# EAGLE board Mk4 Final a Panel score 2x5 (EAGLE 9.0.1), part 17 of 29 (continued)
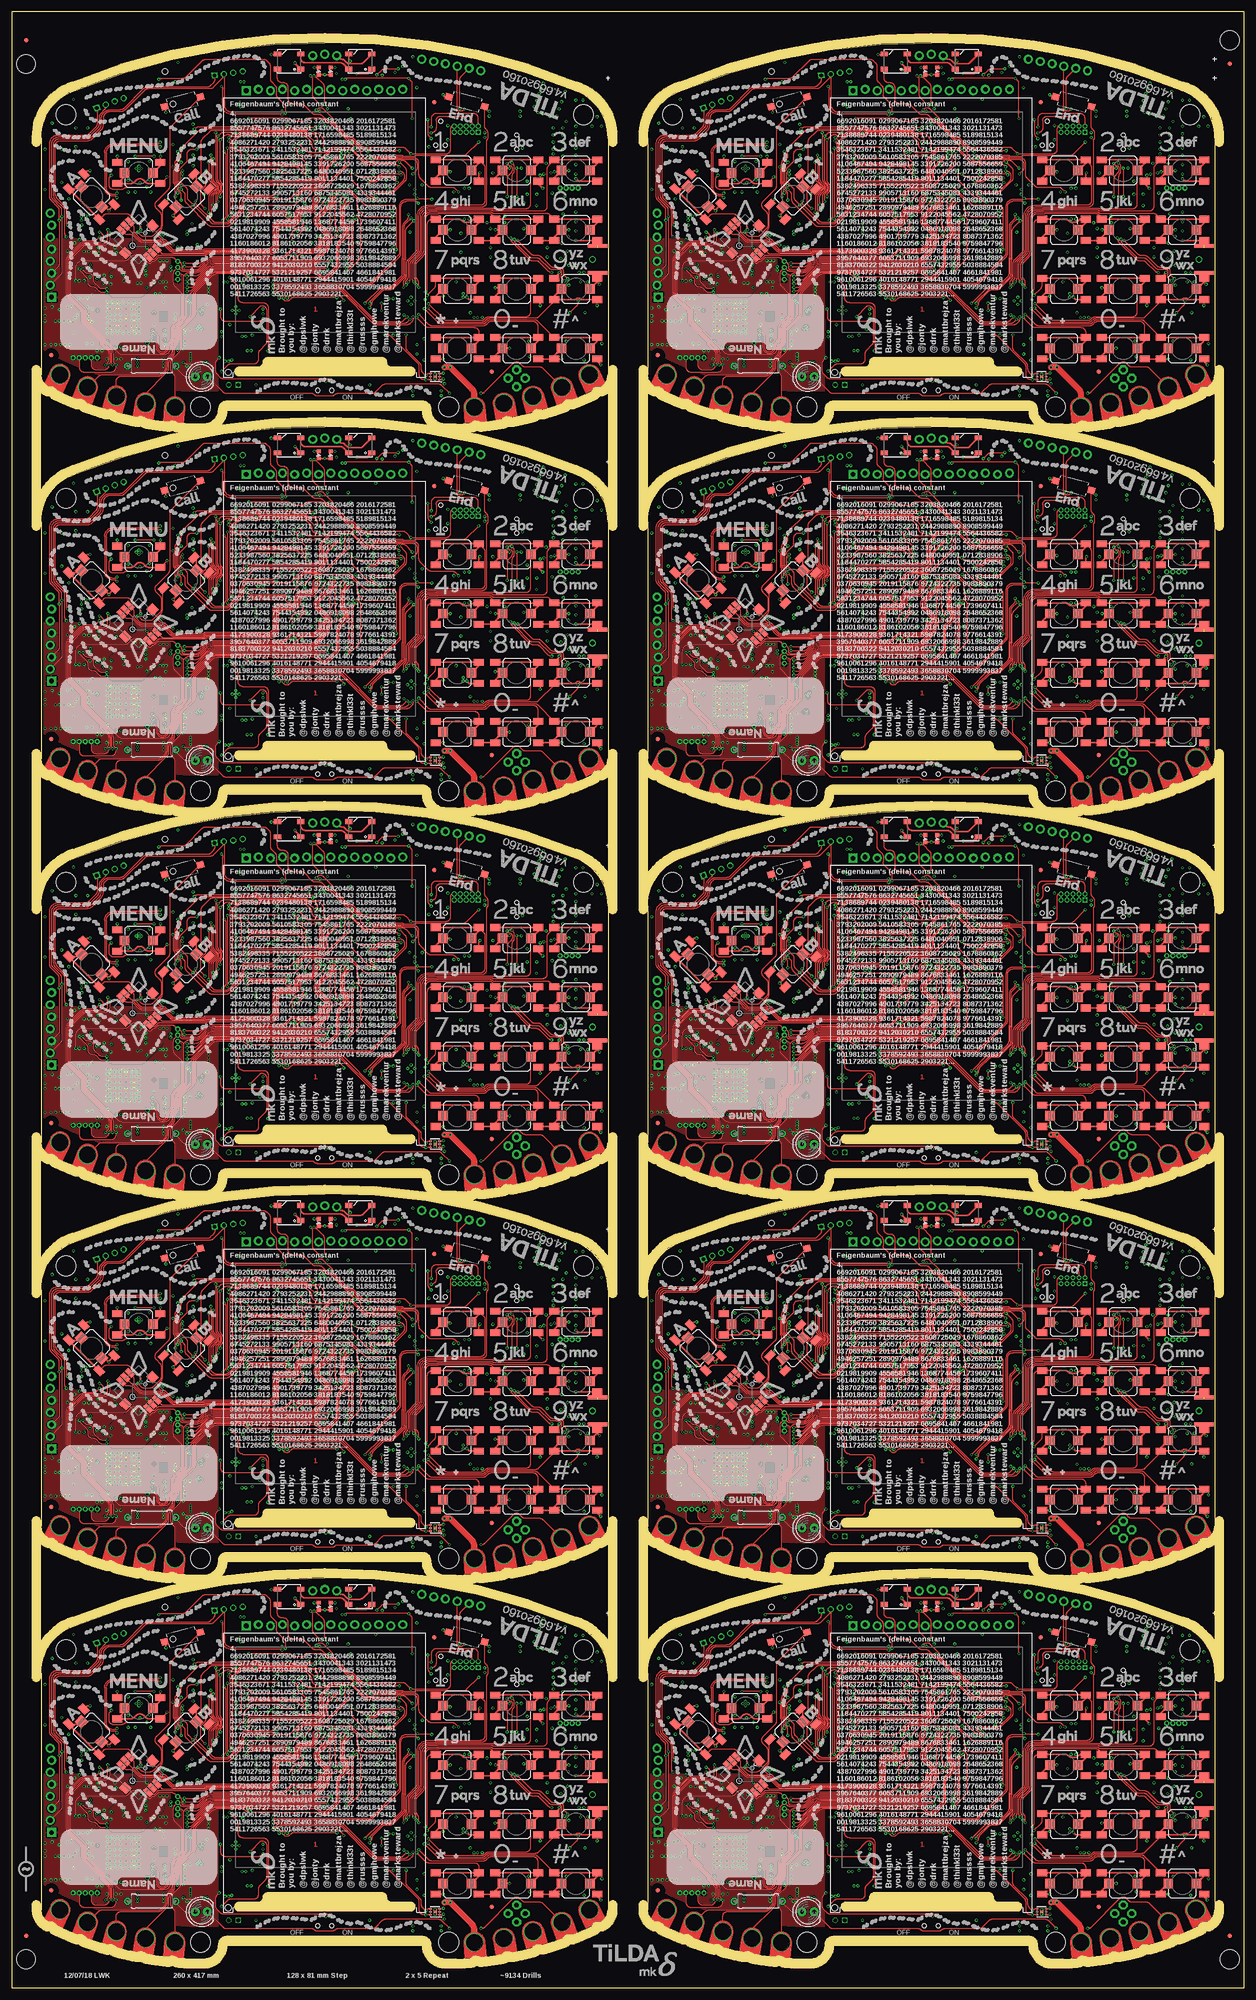
[diagram p0: board, top side]
## Tracks (layer width: path | path; a pad name or v marks a point on that pad's centre or on a via) (continued)
I2C5_EXT_SDA6  (via drill 0.3)
  Top 0.2: v11.75,291 11.73,291.02 arc-45 11.5,291.57 11.5,294.24 arc45 11.21,294.94 9.49,296.66 arc-45 9.2,297.36 9.2,307.8 arc-90 10.2,308.8 15.88,308.8 arc45 17.11,309.31 18.79,310.99 arc45 19.3,312.23 19.3,313.64 arc-45 19.59,314.34 19.86,314.61 arc-45 20.56,314.9 22.93,314.9 arc45 23.82,315.27 28.01,319.46 arc-45 28.71,319.75 41.84,319.75 arc45 42.54,320.04 44.76,322.26 J68.2 44.76,322.24 44.9,322.1 44.9,316.3 arc90 46.4,314.8 56.8,314.8 v57,315
  3V3@2 0.15: v69.3,299.2 69.3,300.2 64.72,304.77 64.46,304.77 63.98,305.26 63.98,305.52 62.3,307.2 62.3,309.8 61.9,310.2 57.3,310.2 56.7,310.8 56.7,313.7 56.4,314 56.4,314.4 v57,315
  Bottom 0.15: IC110.120 72.92,299 arc-45 72.91,299 arc45 72.74,299.07 arc-45 72.03,299.37 71.72,299.68 arc45 71.01,299.98 70.49,299.98 arc45 69.78,299.68 v69.3,299.2
  Bottom 0.2: IC110.120 74.92,299 arc-45 75.28,298.85 75.43,298.7 arc45 75.78,298.56 76.99,298.56 arc-45 77.34,298.41 R495.1 78.2,297.55 arc45 78.56,297.4 78.9,297.4 arc-90 79.4,296.9 79.4,296.21 arc-45 79.11,295.51 78.97,295.38 78.97,290.96 arc45 79.27,290.25 79.56,289.97 arc45 80.26,289.68 81.91,289.68 arc-45 82.62,289.38 88.66,283.34 arc-45 89.1,282.28 89.1,276.37 arc45 89.47,275.49 94.19,270.77 arc45 95.07,270.4 99.49,270.4 arc-45 100.19,270.11 103.56,266.75 arc-45 103.85,266.04 103.85,259.92 arc45 104.14,259.21 J70.4 106.09,258.65 arc-45 106.79,258.36 109.71,255.44 arc-45 PCB6.SDA | JP62.7 v11.74,290.99 v11.75,291
  Bottom 0.3: J68.6 J68.2
I2C5_EXT_SDA7  (via drill 0.3)
  Top 0.2: v139.75,291 139.72,291.02 arc-45 139.5,291.57 139.5,294.24 arc45 139.21,294.94 137.49,296.66 arc-45 137.2,297.36 137.2,307.8 arc-90 138.2,308.8 143.88,308.8 arc45 145.11,309.31 146.79,310.99 arc45 147.3,312.23 147.3,313.64 arc-45 147.59,314.34 147.86,314.61 arc-45 148.56,314.9 150.93,314.9 arc45 151.82,315.27 156.01,319.46 arc-45 156.71,319.75 169.84,319.75 arc45 170.54,320.04 172.76,322.26 J78.2 172.76,322.24 172.9,322.1 172.9,316.3 arc90 174.4,314.8 184.8,314.8 v185,315
  3V3@2 0.15: v197.3,299.2 197.3,300.2 192.72,304.77 192.46,304.77 191.97,305.26 191.97,305.52 190.3,307.2 190.3,309.8 189.9,310.2 185.3,310.2 184.7,310.8 184.7,313.7 184.4,314 184.4,314.4 v185,315
  Bottom 0.15: IC128.120 200.92,299 arc-45 200.91,299 arc45 200.74,299.07 arc-45 200.03,299.37 199.72,299.68 arc45 199.01,299.98 198.49,299.98 arc45 197.78,299.68 v197.3,299.2
  Bottom 0.2: IC128.120 202.93,299 arc-45 203.28,298.85 203.43,298.7 arc45 203.78,298.56 204.99,298.56 arc-45 205.34,298.41 R573.1 206.2,297.55 arc45 206.56,297.4 206.9,297.4 arc-90 207.4,296.9 207.4,296.21 arc-45 207.11,295.51 206.97,295.38 206.97,290.96 arc45 207.27,290.25 207.56,289.97 arc45 208.26,289.68 209.91,289.68 arc-45 210.62,289.38 216.66,283.34 arc-45 217.1,282.28 217.1,276.37 arc45 217.47,275.49 222.19,270.77 arc45 223.07,270.4 227.49,270.4 arc-45 228.19,270.11 231.56,266.75 arc-45 231.85,266.04 231.85,259.92 arc45 232.14,259.21 J80.4 234.09,258.65 arc-45 234.79,258.36 237.71,255.44 arc-45 PCB7.SDA | JP71.7 v139.74,290.99 v139.75,291
  Bottom 0.3: J78.6 J78.2
I2C5_EXT_SDA8  (via drill 0.3)
  Top 0.2: v11.75,372 11.73,372.02 arc-45 11.5,372.57 11.5,375.24 arc45 11.21,375.94 9.49,377.66 arc-45 9.2,378.36 9.2,388.8 arc-90 10.2,389.8 15.88,389.8 arc45 17.11,390.31 18.79,391.99 arc45 19.3,393.23 19.3,394.64 arc-45 19.59,395.34 19.86,395.61 arc-45 20.56,395.9 22.93,395.9 arc45 23.82,396.27 28.01,400.46 arc-45 28.71,400.75 41.84,400.75 arc45 42.54,401.04 44.76,403.26 J88.2 44.76,403.24 44.9,403.1 44.9,397.3 arc90 46.4,395.8 56.8,395.8 v57,396
  3V3@2 0.15: v69.3,380.2 69.3,381.2 64.72,385.77 64.46,385.77 63.98,386.26 63.98,386.52 62.3,388.2 62.3,390.8 61.9,391.2 57.3,391.2 56.7,391.8 56.7,394.7 56.4,395 56.4,395.4 v57,396
  Bottom 0.15: IC146.120 72.92,380 arc-45 72.91,380 arc45 72.74,380.07 arc-45 72.03,380.37 71.72,380.68 arc45 71.01,380.98 70.49,380.98 arc45 69.78,380.68 v69.3,380.2
  Bottom 0.2: IC146.120 74.92,380 arc-45 75.28,379.85 75.43,379.7 arc45 75.78,379.56 76.99,379.56 arc-45 77.34,379.41 R651.1 78.2,378.55 arc45 78.56,378.4 78.9,378.4 arc-90 79.4,377.9 79.4,377.21 arc-45 79.11,376.51 78.97,376.38 78.97,371.96 arc45 79.27,371.25 79.56,370.97 arc45 80.26,370.68 81.91,370.68 arc-45 82.62,370.38 88.66,364.34 arc-45 89.1,363.28 89.1,357.37 arc45 89.47,356.49 94.19,351.77 arc45 95.07,351.4 99.49,351.4 arc-45 100.19,351.11 103.56,347.75 arc-45 103.85,347.04 103.85,340.92 arc45 104.14,340.21 J90.4 106.09,339.65 arc-45 106.79,339.36 109.71,336.44 arc-45 PCB8.SDA | JP80.7 v11.74,371.99 v11.75,372
  Bottom 0.3: J88.6 J88.2
I2C5_EXT_SDA9  (via drill 0.3)
  Top 0.2: v139.75,372 139.72,372.02 arc-45 139.5,372.57 139.5,375.24 arc45 139.21,375.94 137.49,377.66 arc-45 137.2,378.36 137.2,388.8 arc-90 138.2,389.8 143.88,389.8 arc45 145.11,390.31 146.79,391.99 arc45 147.3,393.23 147.3,394.64 arc-45 147.59,395.34 147.86,395.61 arc-45 148.56,395.9 150.93,395.9 arc45 151.82,396.27 156.01,400.46 arc-45 156.71,400.75 169.84,400.75 arc45 170.54,401.04 172.76,403.26 J98.2 172.76,403.24 172.9,403.1 172.9,397.3 arc90 174.4,395.8 184.8,395.8 v185,396
  3V3@2 0.15: v197.3,380.2 197.3,381.2 192.72,385.77 192.46,385.77 191.97,386.26 191.97,386.52 190.3,388.2 190.3,390.8 189.9,391.2 185.3,391.2 184.7,391.8 184.7,394.7 184.4,395 184.4,395.4 v185,396
  Bottom 0.15: IC164.120 200.92,380 arc-45 200.91,380 arc45 200.74,380.07 arc-45 200.03,380.37 199.72,380.68 arc45 199.01,380.98 198.49,380.98 arc45 197.78,380.68 v197.3,380.2
  Bottom 0.2: IC164.120 202.93,380 arc-45 203.28,379.85 203.43,379.7 arc45 203.78,379.56 204.99,379.56 arc-45 205.34,379.41 R729.1 206.2,378.55 arc45 206.56,378.4 206.9,378.4 arc-90 207.4,377.9 207.4,377.21 arc-45 207.11,376.51 206.97,376.38 206.97,371.96 arc45 207.27,371.25 207.56,370.97 arc45 208.26,370.68 209.91,370.68 arc-45 210.62,370.38 216.66,364.34 arc-45 217.1,363.28 217.1,357.37 arc45 217.47,356.49 222.19,351.77 arc45 223.07,351.4 227.49,351.4 arc-45 228.19,351.11 231.56,347.75 arc-45 231.85,347.04 231.85,340.92 arc45 232.14,340.21 J100.4 234.09,339.65 arc-45 234.79,339.36 237.71,336.44 arc-45 PCB9.SDA | JP89.7 v139.74,371.99 v139.75,372
  Bottom 0.3: J98.6 J98.2
JOY_CEN  (via drill 0.3)
  Top 0.15: SW1.CTR 26.77,45.02 arc45 27.66,44.66 30.79,44.66 arc-45 31.15,44.51 31.16,44.5 arc45 31.52,44.35 31.78,44.35 arc-45 32.13,44.2 33.49,42.84 arc45 34.38,42.48 40.44,42.48 arc45 40.61,42.55 40.74,42.68 arc-45 40.92,42.75 54.28,42.75 arc90 55.45,43.92 55.45,47.59 arc-90 56.56,48.7 58.85,48.7 arc90 60.1,49.95 60.1,50.35 arc-90 61.35,51.6 62.92,51.6 arc45 63.27,51.75 63.75,52.23 arc45 63.9,52.58 63.9,53.09 arc-45 64.05,53.45 v65.2,54.6
  Bottom 0.15: v65.2,54.6 64.99,54.81 arc-45 64.7,55.51 64.7,60.09 arc45 64.41,60.79 62.89,62.31 arc-45 62.6,63.01 IC1.72
JOY_CEN1  (via drill 0.3)
  Top 0.15: SW2.CTR 154.78,45.02 arc45 155.66,44.66 158.79,44.66 arc-45 159.15,44.51 159.16,44.5 arc45 159.52,44.35 159.78,44.35 arc-45 160.13,44.2 161.49,42.84 arc45 162.38,42.48 168.44,42.48 arc45 168.62,42.55 168.74,42.68 arc-45 168.92,42.75 182.28,42.75 arc90 183.45,43.92 183.45,47.59 arc-90 184.56,48.7 186.85,48.7 arc90 188.1,49.95 188.1,50.35 arc-90 189.35,51.6 190.92,51.6 arc45 191.27,51.75 191.75,52.23 arc45 191.9,52.58 191.9,53.09 arc-45 192.05,53.45 v193.2,54.6
  Bottom 0.15: v193.2,54.6 192.99,54.81 arc-45 192.7,55.51 192.7,60.09 arc45 192.41,60.79 190.89,62.31 arc-45 190.6,63.01 IC20.72
JOY_CEN2  (via drill 0.3)
  Top 0.15: SW3.CTR 26.77,126.03 arc45 27.66,125.66 30.79,125.66 arc-45 31.15,125.51 31.16,125.5 arc45 31.52,125.35 31.78,125.35 arc-45 32.13,125.2 33.49,123.84 arc45 34.38,123.47 40.44,123.47 arc45 40.61,123.55 40.74,123.68 arc-45 40.92,123.75 54.28,123.75 arc90 55.45,124.92 55.45,128.59 arc-90 56.56,129.7 58.85,129.7 arc90 60.1,130.95 60.1,131.35 arc-90 61.35,132.6 62.92,132.6 arc45 63.27,132.75 63.75,133.23 arc45 63.9,133.58 63.9,134.09 arc-45 64.05,134.45 v65.2,135.6
  Bottom 0.15: v65.2,135.6 64.99,135.81 arc-45 64.7,136.51 64.7,141.09 arc45 64.41,141.79 62.89,143.31 arc-45 62.6,144.01 IC38.72
JOY_CEN3  (via drill 0.3)
  Top 0.15: SW4.CTR 154.78,126.03 arc45 155.66,125.66 158.79,125.66 arc-45 159.15,125.51 159.16,125.5 arc45 159.52,125.35 159.78,125.35 arc-45 160.13,125.2 161.49,123.84 arc45 162.38,123.47 168.44,123.47 arc45 168.62,123.55 168.74,123.68 arc-45 168.92,123.75 182.28,123.75 arc90 183.45,124.92 183.45,128.59 arc-90 184.56,129.7 186.85,129.7 arc90 188.1,130.95 188.1,131.35 arc-90 189.35,132.6 190.92,132.6 arc45 191.27,132.75 191.75,133.23 arc45 191.9,133.58 191.9,134.09 arc-45 192.05,134.45 v193.2,135.6
  Bottom 0.15: v193.2,135.6 192.99,135.81 arc-45 192.7,136.51 192.7,141.09 arc45 192.41,141.79 190.89,143.31 arc-45 190.6,144.01 IC56.72
JOY_CEN4  (via drill 0.3)
  Top 0.15: SW5.CTR 26.77,207.03 arc45 27.66,206.66 30.79,206.66 arc-45 31.15,206.51 31.16,206.5 arc45 31.52,206.35 31.78,206.35 arc-45 32.13,206.2 33.49,204.84 arc45 34.38,204.47 40.44,204.47 arc45 40.61,204.55 40.74,204.68 arc-45 40.92,204.75 54.28,204.75 arc90 55.45,205.92 55.45,209.59 arc-90 56.56,210.7 58.85,210.7 arc90 60.1,211.95 60.1,212.35 arc-90 61.35,213.6 62.92,213.6 arc45 63.27,213.75 63.75,214.23 arc45 63.9,214.58 63.9,215.09 arc-45 64.05,215.45 v65.2,216.6
  Bottom 0.15: v65.2,216.6 64.99,216.81 arc-45 64.7,217.51 64.7,222.09 arc45 64.41,222.79 62.89,224.31 arc-45 62.6,225.01 IC74.72
JOY_CEN5  (via drill 0.3)
  Top 0.15: SW6.CTR 154.78,207.03 arc45 155.66,206.66 158.79,206.66 arc-45 159.15,206.51 159.16,206.5 arc45 159.52,206.35 159.78,206.35 arc-45 160.13,206.2 161.49,204.84 arc45 162.38,204.47 168.44,204.47 arc45 168.62,204.55 168.74,204.68 arc-45 168.92,204.75 182.28,204.75 arc90 183.45,205.92 183.45,209.59 arc-90 184.56,210.7 186.85,210.7 arc90 188.1,211.95 188.1,212.35 arc-90 189.35,213.6 190.92,213.6 arc45 191.27,213.75 191.75,214.23 arc45 191.9,214.58 191.9,215.09 arc-45 192.05,215.45 v193.2,216.6
  Bottom 0.15: v193.2,216.6 192.99,216.81 arc-45 192.7,217.51 192.7,222.09 arc45 192.41,222.79 190.89,224.31 arc-45 190.6,225.01 IC92.72
JOY_CEN6  (via drill 0.3)
  Top 0.15: SW7.CTR 26.77,288.02 arc45 27.66,287.66 30.79,287.66 arc-45 31.15,287.51 31.16,287.5 arc45 31.52,287.35 31.78,287.35 arc-45 32.13,287.2 33.49,285.84 arc45 34.38,285.48 40.44,285.48 arc45 40.61,285.55 40.74,285.68 arc-45 40.92,285.75 54.28,285.75 arc90 55.45,286.92 55.45,290.59 arc-90 56.56,291.7 58.85,291.7 arc90 60.1,292.95 60.1,293.35 arc-90 61.35,294.6 62.92,294.6 arc45 63.27,294.75 63.75,295.23 arc45 63.9,295.58 63.9,296.09 arc-45 64.05,296.45 v65.2,297.6
  Bottom 0.15: v65.2,297.6 64.99,297.81 arc-45 64.7,298.51 64.7,303.09 arc45 64.41,303.79 62.89,305.31 arc-45 62.6,306.01 IC110.72
JOY_CEN7  (via drill 0.3)
  Top 0.15: SW8.CTR 154.78,288.02 arc45 155.66,287.66 158.79,287.66 arc-45 159.15,287.51 159.16,287.5 arc45 159.52,287.35 159.78,287.35 arc-45 160.13,287.2 161.49,285.84 arc45 162.38,285.48 168.44,285.48 arc45 168.62,285.55 168.74,285.68 arc-45 168.92,285.75 182.28,285.75 arc90 183.45,286.92 183.45,290.59 arc-90 184.56,291.7 186.85,291.7 arc90 188.1,292.95 188.1,293.35 arc-90 189.35,294.6 190.92,294.6 arc45 191.27,294.75 191.75,295.23 arc45 191.9,295.58 191.9,296.09 arc-45 192.05,296.45 v193.2,297.6
  Bottom 0.15: v193.2,297.6 192.99,297.81 arc-45 192.7,298.51 192.7,303.09 arc45 192.41,303.79 190.89,305.31 arc-45 190.6,306.01 IC128.72
JOY_CEN8  (via drill 0.3)
  Top 0.15: SW9.CTR 26.77,369.02 arc45 27.66,368.66 30.79,368.66 arc-45 31.15,368.51 31.16,368.5 arc45 31.52,368.35 31.78,368.35 arc-45 32.13,368.2 33.49,366.84 arc45 34.38,366.48 40.44,366.48 arc45 40.61,366.55 40.74,366.68 arc-45 40.92,366.75 54.28,366.75 arc90 55.45,367.92 55.45,371.59 arc-90 56.56,372.7 58.85,372.7 arc90 60.1,373.95 60.1,374.35 arc-90 61.35,375.6 62.92,375.6 arc45 63.27,375.75 63.75,376.23 arc45 63.9,376.58 63.9,377.09 arc-45 64.05,377.45 v65.2,378.6
  Bottom 0.15: v65.2,378.6 64.99,378.81 arc-45 64.7,379.51 64.7,384.09 arc45 64.41,384.79 62.89,386.31 arc-45 62.6,387.01 IC146.72
JOY_CEN9  (via drill 0.3)
  Top 0.15: SW10.CTR 154.78,369.02 arc45 155.66,368.66 158.79,368.66 arc-45 159.15,368.51 159.16,368.5 arc45 159.52,368.35 159.78,368.35 arc-45 160.13,368.2 161.49,366.84 arc45 162.38,366.48 168.44,366.48 arc45 168.62,366.55 168.74,366.68 arc-45 168.92,366.75 182.28,366.75 arc90 183.45,367.92 183.45,371.59 arc-90 184.56,372.7 186.85,372.7 arc90 188.1,373.95 188.1,374.35 arc-90 189.35,375.6 190.92,375.6 arc45 191.27,375.75 191.75,376.23 arc45 191.9,376.58 191.9,377.09 arc-45 192.05,377.45 v193.2,378.6
  Bottom 0.15: v193.2,378.6 192.99,378.81 arc-45 192.7,379.51 192.7,384.09 arc45 192.41,384.79 190.89,386.31 arc-45 190.6,387.01 IC164.72
JOY_DOWN  (via drill 0.3)
  Top 0.15: v66,53.8 66,53.41 arc-45 65.71,52.71 63.85,50.85 arc-45 63.49,50.7 61.5,50.7 arc90 61,50.2 61,49.8 arc-90 59,47.8 56.95,47.8 arc90 56.35,47.2 56.35,43.52 arc-90 54.67,41.85 41.29,41.85 arc45 41.12,41.78 40.99,41.65 arc-45 40.81,41.58 31.08,41.58 arc45 30.73,41.43 30.15,40.85 arc-45 29.79,40.7 29.3,40.7 SW1.D
  Bottom 0.15: v66,53.8 66.1,53.9 66.1,54.61 arc45 65.81,55.32 65.59,55.53 arc-45 65.3,56.24 65.3,60.69 arc45 65.01,61.39 63.69,62.71 arc-45 63.4,63.41 IC1.74
JOY_DOWN1  (via drill 0.3)
  Top 0.15: v194,53.8 194,53.41 arc-45 193.71,52.71 191.85,50.85 arc-45 191.49,50.7 189.5,50.7 arc90 189,50.2 189,49.8 arc-90 187,47.8 184.94,47.8 arc90 184.35,47.2 184.35,43.52 arc-90 182.68,41.85 169.29,41.85 arc45 169.12,41.78 168.99,41.65 arc-45 168.81,41.58 159.08,41.58 arc45 158.73,41.43 158.15,40.85 arc-45 157.79,40.7 157.3,40.7 SW2.D
  Bottom 0.15: v194,53.8 194.1,53.9 194.1,54.61 arc45 193.81,55.32 193.59,55.53 arc-45 193.3,56.24 193.3,60.69 arc45 193.01,61.39 191.69,62.71 arc-45 191.4,63.41 IC20.74
JOY_DOWN2  (via drill 0.3)
  Top 0.15: v66,134.8 66,134.41 arc-45 65.71,133.71 63.85,131.85 arc-45 63.49,131.7 61.5,131.7 arc90 61,131.2 61,130.8 arc-90 59,128.8 56.95,128.8 arc90 56.35,128.2 56.35,124.53 arc-90 54.67,122.85 41.29,122.85 arc45 41.12,122.78 40.99,122.65 arc-45 40.81,122.58 31.08,122.58 arc45 30.73,122.43 30.15,121.85 arc-45 29.79,121.7 29.3,121.7 SW3.D
  Bottom 0.15: v66,134.8 66.1,134.9 66.1,135.61 arc45 65.81,136.32 65.59,136.53 arc-45 65.3,137.24 65.3,141.69 arc45 65.01,142.39 63.69,143.71 arc-45 63.4,144.41 IC38.74
JOY_DOWN3  (via drill 0.3)
  Top 0.15: v194,134.8 194,134.41 arc-45 193.71,133.71 191.85,131.85 arc-45 191.49,131.7 189.5,131.7 arc90 189,131.2 189,130.8 arc-90 187,128.8 184.94,128.8 arc90 184.35,128.2 184.35,124.53 arc-90 182.68,122.85 169.29,122.85 arc45 169.12,122.78 168.99,122.65 arc-45 168.81,122.58 159.08,122.58 arc45 158.73,122.43 158.15,121.85 arc-45 157.79,121.7 157.3,121.7 SW4.D
  Bottom 0.15: v194,134.8 194.1,134.9 194.1,135.61 arc45 193.81,136.32 193.59,136.53 arc-45 193.3,137.24 193.3,141.69 arc45 193.01,142.39 191.69,143.71 arc-45 191.4,144.41 IC56.74
JOY_DOWN4  (via drill 0.3)
  Top 0.15: v66,215.8 66,215.41 arc-45 65.71,214.71 63.85,212.85 arc-45 63.49,212.7 61.5,212.7 arc90 61,212.2 61,211.8 arc-90 59,209.8 56.95,209.8 arc90 56.35,209.21 56.35,205.53 arc-90 54.67,203.85 41.29,203.85 arc45 41.12,203.78 40.99,203.65 arc-45 40.81,203.57 31.08,203.57 arc45 30.73,203.43 30.15,202.85 arc-45 29.79,202.7 29.3,202.7 SW5.D
  Bottom 0.15: v66,215.8 66.1,215.9 66.1,216.61 arc45 65.81,217.32 65.59,217.53 arc-45 65.3,218.24 65.3,222.69 arc45 65.01,223.39 63.69,224.71 arc-45 63.4,225.41 IC74.74
JOY_DOWN5  (via drill 0.3)
  Top 0.15: v194,215.8 194,215.41 arc-45 193.71,214.71 191.85,212.85 arc-45 191.49,212.7 189.5,212.7 arc90 189,212.2 189,211.8 arc-90 187,209.8 184.94,209.8 arc90 184.35,209.21 184.35,205.53 arc-90 182.68,203.85 169.29,203.85 arc45 169.12,203.78 168.99,203.65 arc-45 168.81,203.57 159.08,203.57 arc45 158.73,203.43 158.15,202.85 arc-45 157.79,202.7 157.3,202.7 SW6.D
  Bottom 0.15: v194,215.8 194.1,215.9 194.1,216.61 arc45 193.81,217.32 193.59,217.53 arc-45 193.3,218.24 193.3,222.69 arc45 193.01,223.39 191.69,224.71 arc-45 191.4,225.41 IC92.74
JOY_DOWN6  (via drill 0.3)
  Top 0.15: v66,296.8 66,296.41 arc-45 65.71,295.71 63.85,293.85 arc-45 63.49,293.7 61.5,293.7 arc90 61,293.2 61,292.8 arc-90 59,290.8 56.95,290.8 arc90 56.35,290.2 56.35,286.52 arc-90 54.67,284.85 41.29,284.85 arc45 41.12,284.78 40.99,284.65 arc-45 40.81,284.57 31.08,284.57 arc45 30.73,284.43 30.15,283.85 arc-45 29.79,283.7 29.3,283.7 SW7.D
  Bottom 0.15: v66,296.8 66.1,296.9 66.1,297.61 arc45 65.81,298.32 65.59,298.53 arc-45 65.3,299.24 65.3,303.69 arc45 65.01,304.39 63.69,305.71 arc-45 63.4,306.41 IC110.74
JOY_DOWN7  (via drill 0.3)
  Top 0.15: v194,296.8 194,296.41 arc-45 193.71,295.71 191.85,293.85 arc-45 191.49,293.7 189.5,293.7 arc90 189,293.2 189,292.8 arc-90 187,290.8 184.94,290.8 arc90 184.35,290.2 184.35,286.52 arc-90 182.68,284.85 169.29,284.85 arc45 169.12,284.78 168.99,284.65 arc-45 168.81,284.57 159.08,284.57 arc45 158.73,284.43 158.15,283.85 arc-45 157.79,283.7 157.3,283.7 SW8.D
  Bottom 0.15: v194,296.8 194.1,296.9 194.1,297.61 arc45 193.81,298.32 193.59,298.53 arc-45 193.3,299.24 193.3,303.69 arc45 193.01,304.39 191.69,305.71 arc-45 191.4,306.41 IC128.74
JOY_DOWN8  (via drill 0.3)
  Top 0.15: v66,377.8 66,377.41 arc-45 65.71,376.71 63.85,374.85 arc-45 63.49,374.7 61.5,374.7 arc90 61,374.2 61,373.8 arc-90 59,371.8 56.95,371.8 arc90 56.35,371.2 56.35,367.52 arc-90 54.67,365.85 41.29,365.85 arc45 41.12,365.78 40.99,365.65 arc-45 40.81,365.57 31.08,365.57 arc45 30.73,365.43 30.15,364.85 arc-45 29.79,364.7 29.3,364.7 SW9.D
  Bottom 0.15: v66,377.8 66.1,377.9 66.1,378.61 arc45 65.81,379.32 65.59,379.53 arc-45 65.3,380.24 65.3,384.69 arc45 65.01,385.39 63.69,386.71 arc-45 63.4,387.41 IC146.74
JOY_DOWN9  (via drill 0.3)
  Top 0.15: v194,377.8 194,377.41 arc-45 193.71,376.71 191.85,374.85 arc-45 191.49,374.7 189.5,374.7 arc90 189,374.2 189,373.8 arc-90 187,371.8 184.94,371.8 arc90 184.35,371.2 184.35,367.52 arc-90 182.68,365.85 169.29,365.85 arc45 169.12,365.78 168.99,365.65 arc-45 168.81,365.57 159.08,365.57 arc45 158.73,365.43 158.15,364.85 arc-45 157.79,364.7 157.3,364.7 SW10.D
  Bottom 0.15: v194,377.8 194.1,377.9 194.1,378.61 arc45 193.81,379.32 193.59,379.53 arc-45 193.3,380.24 193.3,384.69 arc45 193.01,385.39 191.69,386.71 arc-45 191.4,387.41 IC164.74
JOY_LEFT  (via drill 0.3)
  Top 0.15: SW1.C 23.65,46.35 arc45 24.35,46.06 24.86,46.06 arc-45 25.56,45.76 26.53,44.8 arc45 27.59,44.36 30.67,44.36 arc-45 31.02,44.21 31.04,44.2 arc45 31.39,44.05 31.65,44.05 arc-45 32.01,43.9 33.3,42.61 arc45 34.36,42.17 40.44,42.17 arc45 40.83,42.34 40.87,42.38 arc-45 41.05,42.45 54.39,42.45 arc90 55.75,43.81 55.75,47.46 arc-90 56.69,48.4 58.9,48.4 arc90 60.4,49.9 60.4,50.3 arc-90 61.4,51.3 63.04,51.3 arc45 63.4,51.45 64.05,52.1 arc45 64.2,52.46 64.2,52.59 arc-45 64.35,52.95 v65.2,53.8
  Bottom 0.15: IC1.73 63,63.21 arc45 63.29,62.51 64.71,61.09 arc-45 65,60.39 65,56.11 arc45 65.29,55.41 65.51,55.19 arc-45 65.8,54.49 arc-45 65.74,54.34 v65.2,53.8
JOY_LEFT1  (via drill 0.3)
  Top 0.15: SW2.C 151.65,46.35 arc45 152.36,46.06 152.86,46.06 arc-45 153.56,45.76 154.53,44.8 arc45 155.59,44.36 158.67,44.36 arc-45 159.02,44.21 159.04,44.2 arc45 159.39,44.05 159.65,44.05 arc-45 160,43.9 161.3,42.61 arc45 162.36,42.17 168.44,42.17 arc45 168.83,42.34 168.87,42.38 arc-45 169.05,42.45 182.39,42.45 arc90 183.75,43.81 183.75,47.46 arc-90 184.69,48.4 186.9,48.4 arc90 188.4,49.9 188.4,50.3 arc-90 189.4,51.3 191.04,51.3 arc45 191.39,51.45 192.05,52.1 arc45 192.2,52.46 192.2,52.59 arc-45 192.35,52.95 v193.2,53.8
  Bottom 0.15: IC20.73 191,63.21 arc45 191.29,62.51 192.71,61.09 arc-45 193,60.39 193,56.11 arc45 193.29,55.41 193.51,55.19 arc-45 193.8,54.49 arc-45 193.74,54.34 v193.2,53.8
JOY_LEFT2  (via drill 0.3)
  Top 0.15: SW3.C 23.65,127.35 arc45 24.35,127.06 24.86,127.06 arc-45 25.56,126.76 26.53,125.8 arc45 27.59,125.36 30.67,125.36 arc-45 31.02,125.21 31.04,125.2 arc45 31.39,125.05 31.65,125.05 arc-45 32.01,124.9 33.3,123.61 arc45 34.36,123.17 40.44,123.17 arc45 40.83,123.34 40.87,123.38 arc-45 41.05,123.45 54.39,123.45 arc90 55.75,124.81 55.75,128.46 arc-90 56.69,129.4 58.9,129.4 arc90 60.4,130.9 60.4,131.3 arc-90 61.4,132.3 63.04,132.3 arc45 63.4,132.45 64.05,133.11 arc45 64.2,133.46 64.2,133.59 arc-45 64.35,133.95 v65.2,134.8
  Bottom 0.15: IC38.73 63,144.21 arc45 63.29,143.51 64.71,142.09 arc-45 65,141.39 65,137.11 arc45 65.29,136.41 65.51,136.19 arc-45 65.8,135.49 arc-45 65.74,135.34 v65.2,134.8
JOY_LEFT3  (via drill 0.3)
  Top 0.15: SW4.C 151.65,127.35 arc45 152.36,127.06 152.86,127.06 arc-45 153.56,126.76 154.53,125.8 arc45 155.59,125.36 158.67,125.36 arc-45 159.02,125.21 159.04,125.2 arc45 159.39,125.05 159.65,125.05 arc-45 160,124.9 161.3,123.61 arc45 162.36,123.17 168.44,123.17 arc45 168.83,123.34 168.87,123.38 arc-45 169.05,123.45 182.39,123.45 arc90 183.75,124.81 183.75,128.46 arc-90 184.69,129.4 186.9,129.4 arc90 188.4,130.9 188.4,131.3 arc-90 189.4,132.3 191.04,132.3 arc45 191.39,132.45 192.05,133.11 arc45 192.2,133.46 192.2,133.59 arc-45 192.35,133.95 v193.2,134.8
  Bottom 0.15: IC56.73 191,144.21 arc45 191.29,143.51 192.71,142.09 arc-45 193,141.39 193,137.11 arc45 193.29,136.41 193.51,136.19 arc-45 193.8,135.49 arc-45 193.74,135.34 v193.2,134.8
JOY_LEFT4  (via drill 0.3)
  Top 0.15: SW5.C 23.65,208.35 arc45 24.35,208.06 24.86,208.06 arc-45 25.56,207.76 26.53,206.8 arc45 27.59,206.36 30.67,206.36 arc-45 31.02,206.21 31.04,206.2 arc45 31.39,206.05 31.65,206.05 arc-45 32.01,205.9 33.3,204.61 arc45 34.36,204.18 40.44,204.18 arc45 40.83,204.34 40.87,204.38 arc-45 41.05,204.45 54.39,204.45 arc90 55.75,205.81 55.75,209.46 arc-90 56.69,210.4 58.9,210.4 arc90 60.4,211.9 60.4,212.3 arc-90 61.4,213.3 63.04,213.3 arc45 63.4,213.45 64.05,214.1 arc45 64.2,214.46 64.2,214.59 arc-45 64.35,214.95 v65.2,215.8
  Bottom 0.15: IC74.73 63,225.21 arc45 63.29,224.51 64.71,223.09 arc-45 65,222.39 65,218.11 arc45 65.29,217.41 65.51,217.19 arc-45 65.8,216.49 arc-45 65.74,216.34 v65.2,215.8
JOY_LEFT5  (via drill 0.3)
  Top 0.15: SW6.C 151.65,208.35 arc45 152.36,208.06 152.86,208.06 arc-45 153.56,207.76 154.53,206.8 arc45 155.59,206.36 158.67,206.36 arc-45 159.02,206.21 159.04,206.2 arc45 159.39,206.05 159.65,206.05 arc-45 160,205.9 161.3,204.61 arc45 162.36,204.18 168.44,204.18 arc45 168.83,204.34 168.87,204.38 arc-45 169.05,204.45 182.39,204.45 arc90 183.75,205.81 183.75,209.46 arc-90 184.69,210.4 186.9,210.4 arc90 188.4,211.9 188.4,212.3 arc-90 189.4,213.3 191.04,213.3 arc45 191.39,213.45 192.05,214.1 arc45 192.2,214.46 192.2,214.59 arc-45 192.35,214.95 v193.2,215.8
  Bottom 0.15: IC92.73 191,225.21 arc45 191.29,224.51 192.71,223.09 arc-45 193,222.39 193,218.11 arc45 193.29,217.41 193.51,217.19 arc-45 193.8,216.49 arc-45 193.74,216.34 v193.2,215.8
JOY_LEFT6  (via drill 0.3)
  Top 0.15: SW7.C 23.65,289.35 arc45 24.35,289.06 24.86,289.06 arc-45 25.56,288.76 26.53,287.8 arc45 27.59,287.36 30.67,287.36 arc-45 31.02,287.21 31.04,287.2 arc45 31.39,287.05 31.65,287.05 arc-45 32.01,286.9 33.3,285.61 arc45 34.36,285.18 40.44,285.18 arc45 40.83,285.34 40.87,285.38 arc-45 41.05,285.45 54.39,285.45 arc90 55.75,286.81 55.75,290.46 arc-90 56.69,291.4 58.9,291.4 arc90 60.4,292.9 60.4,293.3 arc-90 61.4,294.3 63.04,294.3 arc45 63.4,294.45 64.05,295.11 arc45 64.2,295.46 64.2,295.59 arc-45 64.35,295.95 v65.2,296.8
  Bottom 0.15: IC110.73 63,306.21 arc45 63.29,305.51 64.71,304.09 arc-45 65,303.39 65,299.11 arc45 65.29,298.41 65.51,298.19 arc-45 65.8,297.49 arc-45 65.74,297.34 v65.2,296.8
JOY_LEFT7  (via drill 0.3)
  Top 0.15: SW8.C 151.65,289.35 arc45 152.36,289.06 152.86,289.06 arc-45 153.56,288.76 154.53,287.8 arc45 155.59,287.36 158.67,287.36 arc-45 159.02,287.21 159.04,287.2 arc45 159.39,287.05 159.65,287.05 arc-45 160,286.9 161.3,285.61 arc45 162.36,285.18 168.44,285.18 arc45 168.83,285.34 168.87,285.38 arc-45 169.05,285.45 182.39,285.45 arc90 183.75,286.81 183.75,290.46 arc-90 184.69,291.4 186.9,291.4 arc90 188.4,292.9 188.4,293.3 arc-90 189.4,294.3 191.04,294.3 arc45 191.39,294.45 192.05,295.11 arc45 192.2,295.46 192.2,295.59 arc-45 192.35,295.95 v193.2,296.8
  Bottom 0.15: IC128.73 191,306.21 arc45 191.29,305.51 192.71,304.09 arc-45 193,303.39 193,299.11 arc45 193.29,298.41 193.51,298.19 arc-45 193.8,297.49 arc-45 193.74,297.34 v193.2,296.8
JOY_LEFT8  (via drill 0.3)
  Top 0.15: SW9.C 23.65,370.35 arc45 24.35,370.06 24.86,370.06 arc-45 25.56,369.76 26.53,368.8 arc45 27.59,368.36 30.67,368.36 arc-45 31.02,368.21 31.04,368.2 arc45 31.39,368.05 31.65,368.05 arc-45 32.01,367.9 33.3,366.61 arc45 34.36,366.18 40.44,366.18 arc45 40.83,366.34 40.87,366.38 arc-45 41.05,366.45 54.39,366.45 arc90 55.75,367.81 55.75,371.46 arc-90 56.69,372.4 58.9,372.4 arc90 60.4,373.9 60.4,374.3 arc-90 61.4,375.3 63.04,375.3 arc45 63.4,375.45 64.05,376.11 arc45 64.2,376.46 64.2,376.59 arc-45 64.35,376.95 v65.2,377.8
  Bottom 0.15: IC146.73 63,387.21 arc45 63.29,386.51 64.71,385.09 arc-45 65,384.39 65,380.11 arc45 65.29,379.41 65.51,379.19 arc-45 65.8,378.49 arc-45 65.74,378.34 v65.2,377.8
JOY_LEFT9  (via drill 0.3)